# KiCad board EEZ DIB DCP405plus.kicad_pcb
title: ${project_name}; date: 2026-11-24; rev: ${project_version}; company: ${project_creator}; note: ${project_license}; note: ${project_info}; note: ${project_url}
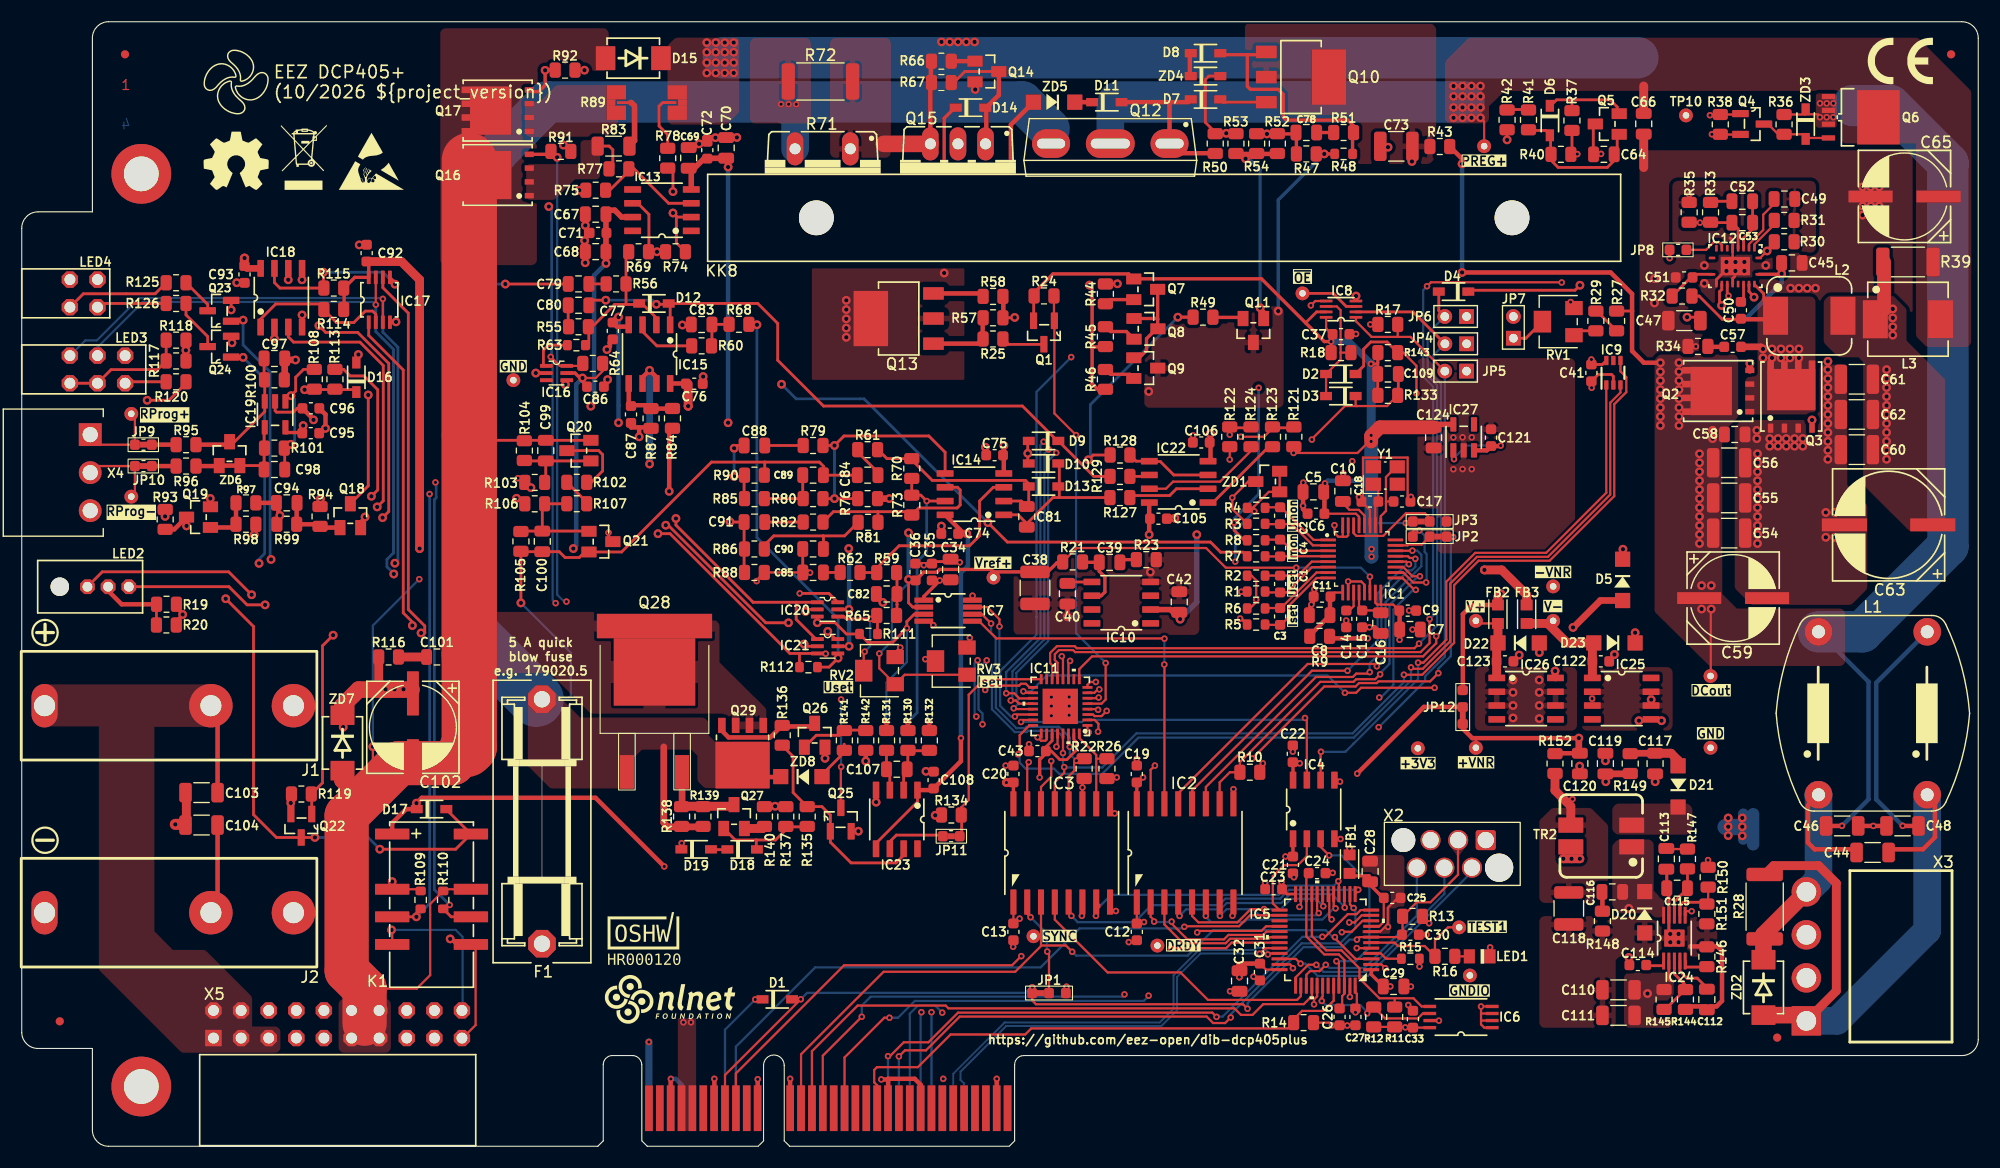
[diagram p0: board, top side]
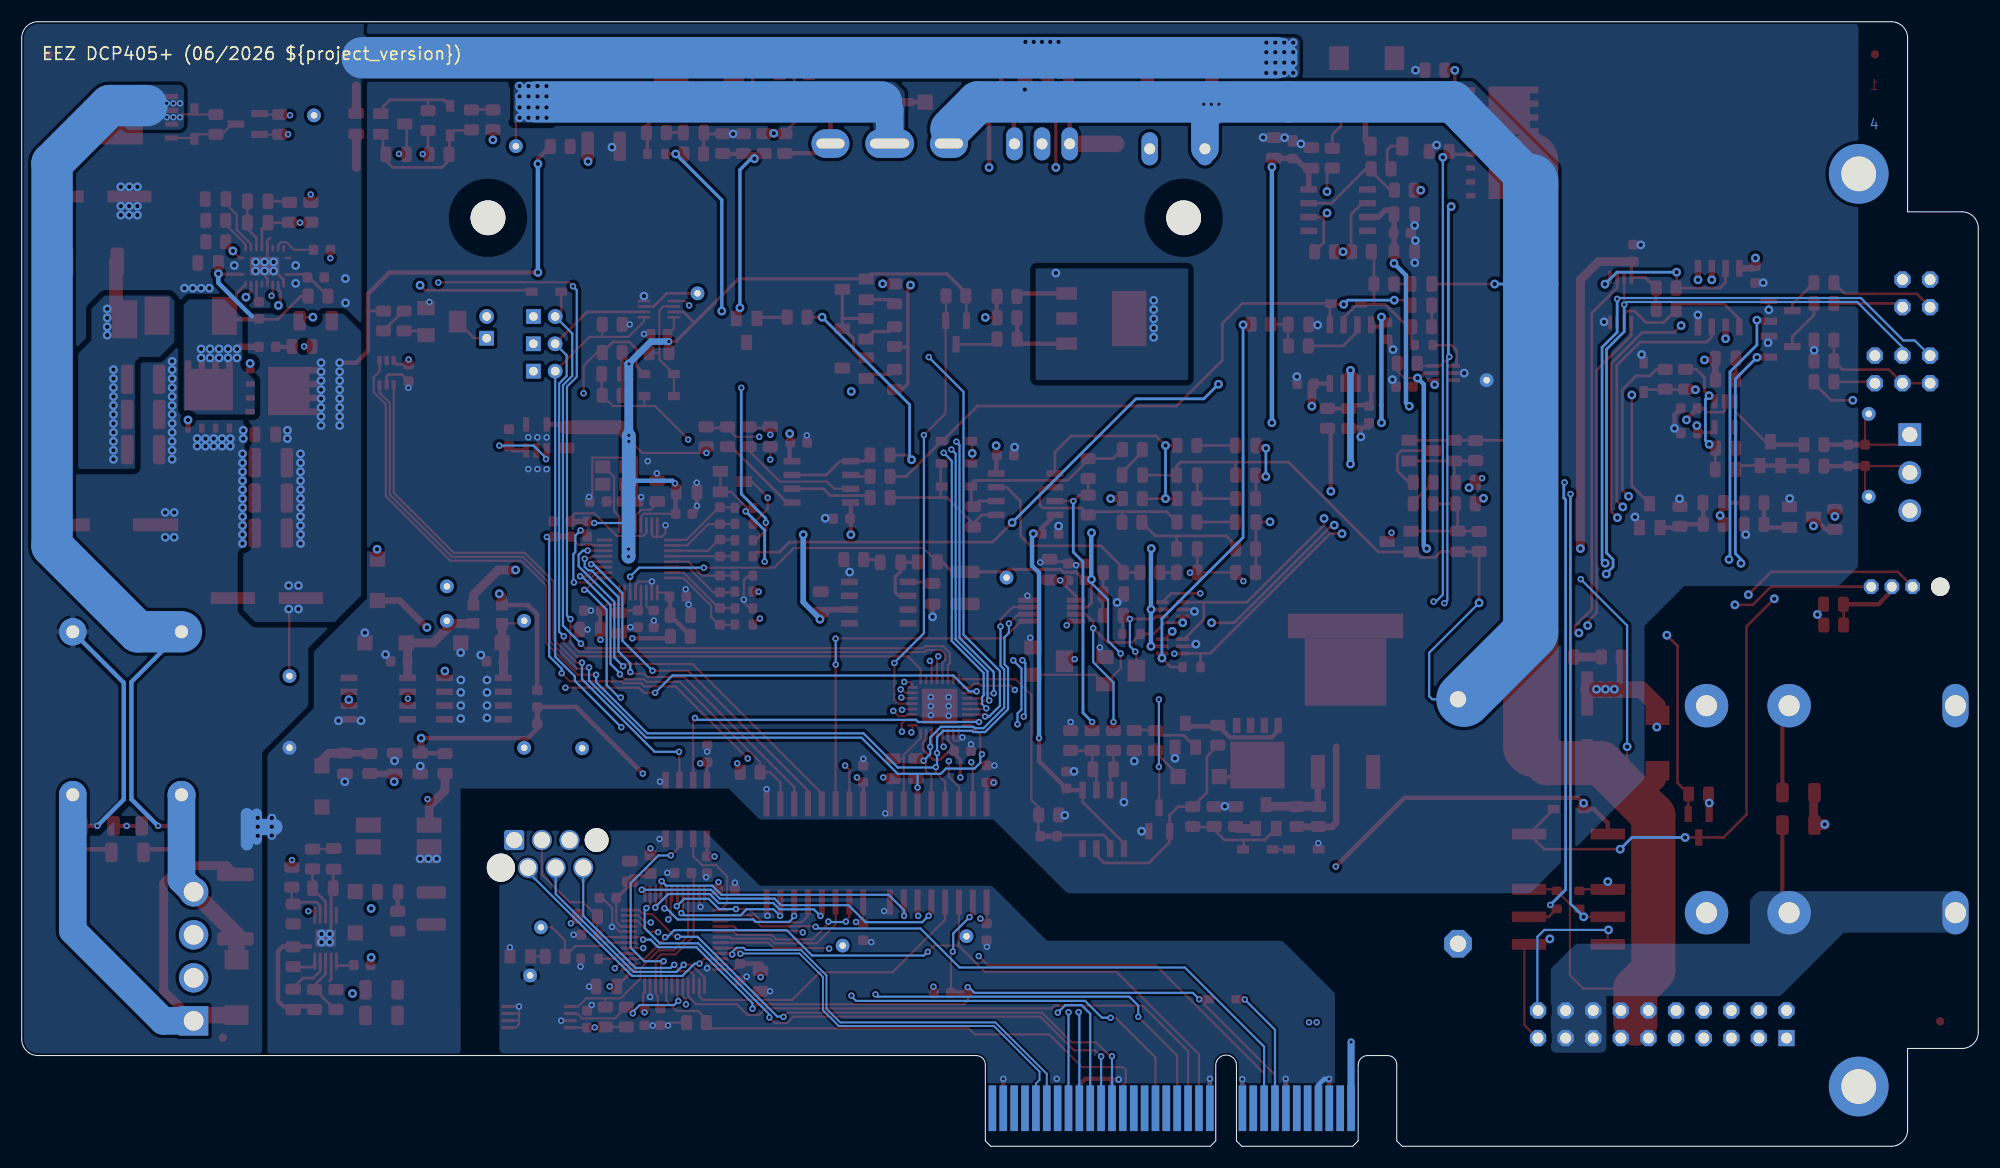
[diagram p1: board, bottom side, seen from below]

Outline 180 x 103.5 mm; copper layers: Top, In1.Cu, In2.Cu, Bottom. Coordinates in mm from the lower left corner of the outline.
Outline path: 56.14,8.35 54.34,8.35 arc(53.74,8.1) 53.5,7.5 53.5,0.5 53,0 8,0 arc(6.94,0.44) 6.5,1.5 6.5,9 1.5,9 arc(0.44,9.44) 0,10.5 0,84.5 arc(0.44,85.56) 1.5,86 6.5,86 6.5,102 arc(6.94,103.06) 8,103.5 178.5,103.5 arc(179.56,103.06) 180,102 180,9.85 arc(179.56,8.79) 178.5,8.35 92.2,8.35 arc(91.6,8.1) 91.34,7.5 ; 56.15,8.35 arc(56.77,8.11) 57.04,7.5
Stack: Top 0.035mm / dielectric 0.48mm FR4 er 4.5 / In1.Cu 0.035mm / dielectric 0.48mm FR4 er 4.5 / In2.Cu 0.035mm / dielectric 0.48mm FR4 er 4.5 / Bottom 0.035mm

## Placement (name value [footprint] x y rotation side)
C1  1n  [C_0603_1608Metric]  115.77 51.75 270 top
C2  1n  [C_0603_1608Metric]  115.77 58.03 90 top
C3  1n  [C_0603_1608Metric]  115.77 48.76 270 top
C4  1n  [C_0603_1608Metric]  115.77 55.06 270 top
C5  1u  [C_0805_2012Metric]  118.83 60.23 180 top
C6  100n  [C_0603_1608Metric]  119.07 58.22 0 top
C7  1u  [C_0805_2012Metric]  127.72 47.56 0 top
C8  1u  [C_0805_2012Metric]  119.41 48.88 180 top
C9  100n  [C_0603_1608Metric]  127.51 49.3 180 top
C10  1u  [C_0805_2012Metric]  121.54 60.3 90 top
C11  100n  [C_0603_1608Metric]  119.63 50.59 0 top
C12  100n  [C_0603_1608Metric]  102.59 19.73 90 top
C13  100n  [C_0603_1608Metric]  91.23 19.73 90 top
C14  270n  [C_0603_1608Metric]  121.86 48.54 90 top
C15  100n  [C_0603_1608Metric]  123.32 48.54 90 top
C16  1u  [C_0805_2012Metric]  125.03 48.15 270 top
C17  10p  [C_0603_1608Metric]  126.98 59.34 180 top
C18  10p  [C_0603_1608Metric]  124.03 59.34 0 top
C19  100n  [C_0603_1608Metric]  102.59 34.26 270 top
C20  100n  [C_0603_1608Metric]  91.23 34.26 270 top
C21  100n  [C_0603_1608Metric]  116.95 25.89 90 top
C22  100n  [C_0603_1608Metric]  116.94 36.12 270 top
C23  100n  [C_0603_1608Metric]  115.17 23.66 180 top
C24  2u2  [C_0603_1608Metric]  119.17 25.14 180 top
C25  100n  [C_0603_1608Metric]  126.08 22.86 0 top
C26  2u2  [C_0603_1608Metric]  121.24 11.91 90 top
C27  100n  [C_0603_1608Metric]  122.7 11.91 270 top
C28  1u  [C_0805_2012Metric]  124.05 25.29 270 top
C29  1u  [C_0805_2012Metric]  126.21 14.71 180 top
C30  1n  [C_0603_1608Metric]  127.75 19.47 180 top
C31  100n  [C_0603_1608Metric]  113.92 16.04 270 top
C32  4u7  [C_0805_2012Metric]  112.04 15.21 270 top
C33  100n  [C_0603_1608Metric]  127.99 11.69 270 top
C34  1u  [C_0805_2012Metric]  85.46 53.08 90 top
C35  100n  [C_0603_1608Metric]  83.74 52.85 270 top
C36  100n  [C_0603_1608Metric]  82.22 52.85 270 top
C37  100n  [C_0603_1608Metric]  121.37 74.75 180 top
C38  22u  [C_1210_3225Metric]  93.22 51.39 270 top
C39  1u  [C_0805_2012Metric]  100.08 53.74 0 top
C40  1u  [C_0805_2012Metric]  96.2 50.86 270 top
C41  100n  [C_0603_1608Metric]  144.41 71.18 270 top
C42  4u7  [C_0805_2012Metric]  106.49 50.09 90 top
C43  100n  [C_0603_1608Metric]  93.44 36.37 0 top
C44  10n/200V  [C_1206_3216Metric]  170.28 27.04 180 top
C45  470n/100V  [C_0805_2012Metric]  162.85 81.3 180 top
C46  10n/200V  [C_1206_3216Metric]  167.48 29.48 180 top
C47  2u2  [C_1206_3216Metric]  152.96 75.99 0 top
C48  10n/200V  [C_1206_3216Metric]  173.03 29.48 180 top
C49  10n  [C_0805_2012Metric]  162.17 87.18 0 top
C50  100n  [C_0603_1608Metric]  158.16 76.94 270 top
C51  15p  [C_0603_1608Metric]  152.94 79.97 180 top
C52  10n  [C_0805_2012Metric]  158.29 86.98 0 top
C53  150p  [C_0805_2012Metric]  158.29 85.01 0 top
C54  4u7/100V  [C_1210_3225Metric]  157.09 56.43 0 top
C55  4u7/100V  [C_1210_3225Metric]  157.09 59.67 0 top
C56  4u7/100V  [C_1210_3225Metric]  157.09 62.91 0 top
C57  1n  [C_0603_1608Metric]  157.4 73.58 180 top
C58  470n/100V  [C_0805_2012Metric]  157.59 65.51 180 top
C59  EEEFK1H470P  [CAPAE830X1050N]  157.45 50.45 0 top
C60  10u  [C_1210_3225Metric]  168.83 64.12 180 top
C61  10u  [C_1210_3225Metric]  168.83 70.59 180 top
C62  10u  [C_1210_3225Metric]  168.83 67.35 180 top
C63  EEEFK1J101P  [CAPAE1030X1050N]  171.75 57.19 180 top
C64  470p  [C_0805_2012Metric]  145.56 91.29 0 top
C65  EEEFK1H470P  [CAPAE830X1050N]  173.21 87.42 180 top
C66  1u  [C_0805_2012Metric]  149.22 94.11 90 top
C67  10n  [C_0805_2012Metric]  52.8 85.78 0 top
C68  1u  [C_0805_2012Metric]  52.8 82.34 0 top
C69  10n  [C_0805_2012Metric]  61.36 90.97 270 top
C70  1u  [C_0805_2012Metric]  64.81 91.89 270 top
C71  100n  [C_0603_1608Metric]  53.02 84.06 180 top
C72  100n  [C_0603_1608Metric]  63.07 91.68 90 top
C73  4u7/100V  [C_1210_3225Metric]  126.46 92.03 180 top
C74  100n  [C_0603_1608Metric]  85.38 56.38 0 top
C75  100n  [C_0603_1608Metric]  89.5 63.61 0 top
C76  100n  [C_0603_1608Metric]  61.88 70.18 180 top
C77  100n  [C_0603_1608Metric]  54.38 75.04 90 top
C78  10n  [C_0805_2012Metric]  118.18 93.3 180 top
C79  6n8  [C_0805_2012Metric]  51.23 79.37 0 top
C80  4n7  [C_0805_2012Metric]  51.23 77.4 0 top
C81  100p  [C_0805_2012Metric]  92.46 57.93 270 top
C82  2n2  [C_0805_2012Metric]  79.57 50.83 180 top
C83  2n2  [C_0805_2012Metric]  62.55 75.64 180 top
C84  330p  [C_0805_2012Metric]  77.82 61.77 0 top
C85  150p  [C_0805_2012Metric]  72.8 52.81 0 top
C86  100n  [C_0603_1608Metric]  52.78 69.91 0 top
C87  100n  [C_0603_1608Metric]  56.05 67.36 270 top
C88  47p  [C_0805_2012Metric]  67.41 64.5 0 top  (not fitted)
C89  2n2  [C_0805_2012Metric]  72.8 61.77 0 top  (not fitted)
C90  2n2  [C_0805_2012Metric]  72.8 54.97 180 top  (not fitted)
C91  47p  [C_0805_2012Metric]  67.41 57.45 0 top  (not fitted)
C92  100n  [C_0603_1608Metric]  31.73 82.21 270 top
C93  100n  [C_0603_1608Metric]  20.5 80.24 270 top
C94  2n2  [C_0805_2012Metric]  24.38 59.22 180 top
C95  100n  [C_0603_1608Metric]  26.59 65.63 0 top
C96  100n  [C_0603_1608Metric]  26.6 67.92 0 top
C97  100p  [C_0805_2012Metric]  23.25 72.51 180 top
C98  100p  [C_0805_2012Metric]  23.25 62.29 180 top
C99  10n  [C_0805_2012Metric]  48.21 64.03 90 top
C100  10n  [C_0805_2012Metric]  47.89 55.67 90 top
C101  470n/100V  [C_0805_2012Metric]  38.2 45.03 180 top
C102  HHXD630ARA330MHA0G  [CAPAE830X1050N]  35.99 38.56 270 top
C103  10n/200V  [C_1206_3216Metric]  16.54 32.55 180 top
C104  10n/200V  [C_1206_3216Metric]  16.54 29.56 0 top
C105  100n  [C_0603_1608Metric]  104.57 57.76 180 top
C106  100n  [C_0603_1608Metric]  108.52 64.78 0 top
C107  4n7  [C_0805_2012Metric]  80.51 34.7 180 top
C108  100n  [C_0603_1608Metric]  83.89 33.7 270 top
C109  4n7  [C_0805_2012Metric]  125.69 71.08 0 top
C110  2u2  [C_1206_3216Metric]  146.9 14.4 180 top
C111  2u2  [C_1206_3216Metric]  146.9 12.05 180 top
C112  10n  [C_0805_2012Metric]  155.03 13.51 270 top
C113  10n  [C_0805_2012Metric]  151.3 26.45 90 top
C114  100n  [C_0603_1608Metric]  148.68 16.68 0 top
C115  33p  [C_0805_2012Metric]  152.29 23.75 0 top
C116  330p  [C_0805_2012Metric]  146.33 23.41 180 top
C117  4u7  [C_0805_2012Metric]  150.27 35.22 270 top
C118  22u  [C_1210_3225Metric]  142.33 21.89 270 top
C119  4u7  [C_0805_2012Metric]  145.7 35.22 90 top
C120  4u7  [C_0805_2012Metric]  143.35 35.22 270 top
C121  100n  [C_0603_1608Metric]  135.17 65.22 270 top
C122  100n  [C_0603_1608Metric]  145.27 44.63 180 top
C123  100n  [C_0603_1608Metric]  136.46 44.63 0 top
C124  1u  [C_0805_2012Metric]  129.89 65.22 90 top
D1  BAS316  [SOD-323_1P8X1P35_ONS-M]  69.51 13.53 0 top
D2  BAS316  [SOD-323_1P8X1P35_ONS-M]  121.36 71.08 180 top
D3  BAS316  [SOD-323_1P8X1P35_ONS-M]  121.36 69.05 180 top
D4  BAS316  [SOD-323_1P8X1P35_ONS-M]  131.73 78.66 180 top
D5  SKL16  [SOD123]  147.28 52.13 270 top
D6  BAS316  [SOD-323_1P8X1P35_ONS-M]  140.59 94.41 270 top
D7  BAS316  [SOD-323_1P8X1P35_ONS-M]  108.91 96.35 0 top
D8  BAS316  [SOD-323_1P8X1P35_ONS-M]  108.91 100.61 0 top
D9  BAS316  [SOD-323_1P8X1P35_ONS-M]  94.01 64.92 180 top
D10  BAS316  [SOD-323_1P8X1P35_ONS-M]  94.01 62.85 180 top
D11  BAS316  [SOD-323_1P8X1P35_ONS-M]  99.83 96.1 0 top
D12  BAS316  [SOD-323_1P8X1P35_ONS-M]  58.16 77.57 0 top
D13  BAS316  [SOD-323_1P8X1P35_ONS-M]  94.01 60.73 0 top
D14  BAS316  [SOD-323_1P8X1P35_ONS-M]  87.29 95.59 0 top
D15  SK55  [DO214AA]  56.26 100.15 180 top  (not fitted)
D16  BAS316  [SOD-323_1P8X1P35_ONS-M]  30.78 70.78 90 top
D17  BAS316  [SOD-323_1P8X1P35_ONS-M]  37.7 31.03 0 top
D18  BAS316  [SOD-323_1P8X1P35_ONS-M]  66.28 27.32 0 top
D19  BAS316  [SOD-323_1P8X1P35_ONS-M]  62.05 27.33 0 top
D20  SKL16  [SOD123]  149.31 21.54 270 top
D21  SKL16  [SOD123]  152.38 33.12 90 top
D22  SKL16  [SOD123]  137.72 46.33 0 top
D23  SKL16  [SOD123]  146.53 46.33 180 top
F1  -  [ZH32]  47.86 29.89 270 top
FB1  BLM18AG102SH1D  [BEAD0603]  122.16 25.97 90 top
FB2  BLM18AG102SH1D  [BEAD0603]  135.81 48.97 90 top
FB3  BLM18AG102SH1D  [BEAD0603]  138.45 48.97 90 top
FM1  FIDUCIAL  [Fiducial_0.75mm_Mask1.5mm]  9.5 100.5 0 top
FM2  FIDUCIAL  [Fiducial_0.75mm_Mask1.5mm]  177.5 100.5 0 top
FM3  FIDUCIAL  [Fiducial_0.75mm_Mask1.5mm]  3.5 11.5 0 top
FM4  FIDUCIAL  [Fiducial_0.75mm_Mask1.5mm]  161.5 10 0 top
IC1  ADS131A04IPBSR  [QFP50P700X700X120-32N]  123.28 54.06 0 top
IC2  ISO7762DWR  [DW16]  107.03 27 90 top
IC3  ISO7762DWR  [DW16]  95.68 27 90 top
IC4  ISO6520DR  [SOIC127P600X173-8N]  118.86 31 90 top
IC5  STM32H523CCT6  [LQFP-48_7X7MM]  119.94 19 180 top
IC6  M24C32-DFDW6TP  [TSSOP-8]  132.41 11.9 180 top
IC7  DAC8552IDGKR  [DGK8-M]  85.23 49.3 0 top
IC8  74AUP1G74DC,125  [DCU8]  121.37 77.05 180 top
IC9  TMP126NDCKR  [DCK6]  146.43 71.19 90 top
IC10  REF5025AIDR  [SOIC127P600X173-8N]  101.16 50.03 180 top
IC11  PCAL9722HNMP  [HVQFN32_SOT617-1_NXP-M]  95.54 40.49 180 top
IC12  LM5145RGYR  [RGY0020B]  157.66 81.01 270 top
IC13  LTC2050HVCS8#PBF  [SOIC127P600X173-8N]  58.9 86.15 180 top
IC14  TL072D  [SOIC127P600X173-8N]  87.65 60.01 180 top
IC15  TL072D  [SOIC127P600X173-8N]  57.75 72.9 270 top
IC16  SN74LVC1G3157DCK  [SOT65P210X110-6N]  49.2 71.17 0 top
IC17  SN74LVC2G08DCTR  [DCT8]  32.9 77.91 90 top
IC18  LM293D  [SOIC127P600X173-8N]  23.88 78.1 90 top
IC19  OPA376AIDBVR  [SOT23-5L_STM]  23.31 67.37 270 top
IC20  SN74LVC1G3157DCKR  [SOT65P210X110-6N]  74.13 49.41 0 top
IC21  SN74LVC1G3157DCKR  [SOT65P210X110-6N]  74.14 46.02 0 top
IC22  LM293D  [SOIC127P600X173-8N]  106.44 61.14 180 top
IC23  MAX9141ESA  [SOIC127P600X173-8N]  80.51 30.08 270 top
IC24  TPS54060DGQ  [SOP50P490X110-11N]  152.05 19.16 90 top
IC25  MC79L05  [SOIC127P600X173-8N]  147.2 41.2 0 top
IC26  MC78L05  [SOIC127P600X173-8N]  138.4 41.2 0 top
IC27  TPS7A2033PDBVR  [SOT23-5L_STM]  132.66 65.25 90 top
J1  -  [572-0500]  25 40.55 180 top
J2  -  [572-0100]  25 21.5 180 top
JP1  0R  [JP3 shorted (0603)]  93.74 14.1 180 top
JP2  0R  [JP3 shorted (0603)]  130.3 56.11 0 top
JP3  0R  [JP3 shorted (0603)]  128.76 57.5 180 top
JP4  ~  [M22-2010246]  131.93 73.86 180 top  (not fitted)
JP5  ~  [M22-2010246]  131.92 71.34 180 top  (not fitted)
JP6  ~  [M22-2010246]  131.92 76.37 180 top  (not fitted)
JP7  ~  [M22-2010246]  137.23 75.37 90 top  (not fitted)
JP8  JP2-CUT-0805  [JP2 open (0603)]  152.37 82.51 0 top
JP9  JP2-NOCUT-0805  [JP2 shorted (0603)]  11.18 64.57 0 top
JP10  JP2-NOCUT-0805  [JP2 shorted (0603)]  11.18 62.6 0 top
JP11  JP2-NOCUT-0805  [JP2 shorted (0603)]  85.52 28.53 180 top
JP12  ~  [JP3 shorted (0603)]  132.57 39.65 270 top
K1  FTR-C1GA012G-B05 or EE2-12NU-L  [FTR-C1]  37.7 22.39 270 top
KK1  -  [PCB-MB-01]  11 89.5 0 top
KK2  -  [PCB-MB-01]  11 5.5 0 top
KK8  SK96/84SA  [SK96_84]  147.1 89.45 180 top
L1  RN112-4-02-0M7  [RN112]  170.3 39.85 90 top
L2  ETQ-P4M100KFM  [PANASONIC_ETQ-P4_KFM]  164.45 76.43 0 top
L3  HPI0630-3R3  [COILCRAFT_HPI0630]  173.53 76.12 0 top
LED1  LTST-C170KGKT  [LED_LTST-C170KGKT_LTO-L]  134.13 17.48 180 top  (not fitted)
LED2  WP42WUM/EGW  [L-42WUM-1EGWT]  3.5 51.5 0 top
LED3  -  [SSF-LXH340LYGID]  5.7 71.5 0 top
LED4  WP934MD/LYLID  [WP934MD_2YD]  5.7 78.5 0 top
LOGO1  CR logo  [CE logo]  172.82 99.9 0 top
LOGO2  -  [Open HW logo]  19.73 90.71 0 top
LOGO3  EEZ logo  [EEZ logo (outline 6mm)]  19.72 97.95 0 top
LOGO4  -  [WEEE logo]  25.95 91.03 0 top
LOGO5  ESD logo  [ESD  logo]  32.17 90.66 0 top
LOGO6  -  [NLnet logo]  59.66 13.39 0 top
LOGO7  OSHWA logo  [OSHWA logo 6.6mm]  53.9 18.11 0 top
NT1  NetTie_2  [NetTie-2_SMD_Pad1.5mm]  157.76 29.39 180 bottom
NT2  NetTie_2  [NetTie-2_SMD_Pad0.2mm]  157.4 82.12 270 top
Q1  BSS84  [SOT103P240X110-3N]  94.04 74.9 270 top
Q2  BSC117N08NS5ATMA1  [TDSON-8]  156.07 69.51 180 top
Q3  BSC039N06NSATMA1  [TDSON-8]  162.8 69 90 top
Q4  2N7002  [SOT103P240X110-3N]  159.2 94.08 0 top
Q5  MMBT5401  [SOT23-BEC]  145.87 94.09 90 top
Q6  SQJ457EP-T1_BE3  [PowerPAK SO-8]  169.77 94.71 270 top
Q7  MMBT5551  [SOT23-BEC]  103.4 78.87 270 top
Q8  MMBT5401  [SOT23-BEC]  103.43 75.24 270 top
Q9  MMBT5401  [SOT23-BEC]  103.41 71.62 270 top
Q10  BCP56-16.115  [SOT223-BCE]  117.7 98.41 0 top
Q11  MMBT5551  [SOT23-BEC]  113.31 75.08 180 top
Q12  IRFP250NPBF  [TO247-3_SUNKEN]  100.15 92.29 180 top
Q13  BCP56-16.115  [SOT223-BCE]  80.68 76.18 180 top
Q14  BC857C  [SOT23-BEC]  88.8 98.92 270 top
Q15  IRFI9Z34GPBF  [TO220FP-V]  86.13 92.06 180 top
Q16  PSMN0R9-25YLC  [TDSON-8]  43.78 89.4 180 top
Q17  PSMN0R9-25YLC  [TDSON-8]  43.78 95.32 180 top
Q18  MMBT5551  [SOT23-BEC]  30.23 58.04 0 top
Q19  MMBT5551  [SOT23-BEC]  16.26 57.91 90 top
Q20  MMBT5551  [SOT23-BEC]  51.26 64.03 90 top
Q21  MMBT5401  [SOT23-BEC]  53.28 55.65 270 top
Q22  2N7002  [SOT103P240X110-3N]  25.71 29.5 270 top
Q23  2N7002  [SOT103P240X110-3N]  18.19 76.9 180 top
Q24  2N7002  [SOT103P240X110-3N]  18.19 73.6 180 top
Q25  2N7002  [SOT103P240X110-3N]  75.36 30.07 90 top
Q26  MMBT5551  [SOT23-BEC]  72.95 37.83 0 top
Q27  FMMT493TA  [SOT23-BEC]  65.53 30.35 0 top
Q28  BT139B-600E  [TO-263_SOT-404]  58.21 40.14 0 top
Q29  PSMN013-60YL  [SOT669]  66.32 36.08 180 top
R1  100R  [R_0603_1608Metric]  113.56 51.06 180 top
R2  100R  [R_0603_1608Metric]  113.56 52.52 180 top
R3  100R  [R_0603_1608Metric]  113.57 57.29 180 top
R4  100R  [R_0603_1608Metric]  113.57 58.76 180 top
R5  100R  [R_0603_1608Metric]  113.56 48.02 180 top
R6  100R  [R_0603_1608Metric]  113.56 49.5 180 top
R7  100R  [R_0603_1608Metric]  113.57 54.3 180 top
R8  100R  [R_0603_1608Metric]  113.57 55.77 180 top
R9  10R  [R_0805_2012Metric]  119.41 46.93 180 top
R10  10K  [R_0805_2012Metric]  112.98 34.42 180 top
R11  1K8  [R_0805_2012Metric]  126.31 11.9 90 top
R12  1K8  [R_0805_2012Metric]  124.38 11.9 90 top
R13  10K  [R_0805_2012Metric]  127.95 21.16 0 top
R14  10K  [R_0805_2012Metric]  117.93 11.38 180 top
R15  0R  [R_0603_1608Metric]  127.75 17.26 180 top  (not fitted)
R16  750R  [R_0805_2012Metric]  130.93 17.48 180 top  (not fitted)
R17  100K  [R_0805_2012Metric]  125.68 75.64 0 top
R18  10K  [R_0805_2012Metric]  121.37 73.05 180 top
R19  1K8  [R_0805_2012Metric]  13.32 49.88 0 top
R20  330R  [R_0805_2012Metric]  13.31 47.98 0 top
R21  10R  [R_0805_2012Metric]  96.68 53.78 0 top
R22  10K  [R_0805_2012Metric]  97.74 34.76 270 top
R23  1R  [R_0805_2012Metric]  103.46 53.99 0 top
R24  100K  [R_0805_2012Metric]  94.05 78.26 0 top
R25  10K  [R_0805_2012Metric]  89.35 74.3 0 top
R26  10K  [R_0805_2012Metric]  99.84 34.76 270 top
R27  10K  [R_0805_2012Metric]  146.72 75.96 90 top  (not fitted)
R28  4K7/2W  [R_2512_6332Metric]  160.35 22.05 90 top  (not fitted)
R29  10K  [R_0805_2012Metric]  144.82 75.96 90 top  (not fitted)
R30  10K  [R_0805_2012Metric]  162.15 83.25 180 top
R31  47K  [R_0805_2012Metric]  162.15 85.21 180 top
R32  470R  [R_0805_2012Metric]  152.75 78.25 0 top
R33  10K  [R_0805_2012Metric]  155.37 85.96 270 top
R34  10R  [R_0805_2012Metric]  154.21 73.62 0 top
R35  3K9  [R_0805_2012Metric]  153.4 85.96 90 top
R36  10K  [R_0805_2012Metric]  162.13 94.05 90 top
R37  10K  [R_0805_2012Metric]  142.62 94.41 90 top
R38  100K  [R_0805_2012Metric]  156.27 94.05 270 top
R39  15R  [R_2010_5025Metric]  173.53 81.39 180 top
R40  100K  [R_0805_2012Metric]  141.61 91.29 180 top
R41  10K  [R_0805_2012Metric]  138.62 94.47 90 top
R42  1K  [R_0805_2012Metric]  136.65 94.47 270 top
R43  10R  [R_0805_2012Metric]  130.46 92.02 0 top
R44  1K2  [R_0805_2012Metric]  99.7 78.45 270 top
R45  220R  [R_0805_2012Metric]  99.7 74.52 270 top
R46  220R  [R_0805_2012Metric]  99.7 70.58 270 top
R47  51K  [R_0805_2012Metric]  118.18 91.33 0 top
R48  100R  [R_0603_1608Metric]  121.61 91.33 180 top
R49  470R  [R_0805_2012Metric]  108.67 76.31 0 top
R50  1K  [R_0805_2012Metric]  109.8 92.28 90 top
R51  47K  [R_0805_2012Metric]  121.61 93.3 0 top
R52  2K2  [R_0805_2012Metric]  115.51 92.28 270 top
R53  16K  [R_0805_2012Metric]  111.71 92.28 90 top
R54  750R  [R_0805_2012Metric]  113.61 92.28 270 top
R55  470R  [R_0805_2012Metric]  51.22 75.43 0 top
R56  1K  [R_0805_2012Metric]  54.68 79.37 0 top
R57  1K  [R_0805_2012Metric]  89.36 76.25 0 top
R58  220R  [R_0805_2012Metric]  89.36 78.22 0 top
R59  10K  [R_0805_2012Metric]  79.57 52.8 180 top
R60  2K2  [R_0805_2012Metric]  62.55 73.67 180 top
R61  1K  [R_0805_2012Metric]  77.82 64.12 0 top
R62  6K8  [R_0805_2012Metric]  76.21 52.81 0 top
R63  3K  [R_0603_1608Metric]  51.02 73.73 0 top
R64  47K  [R_0805_2012Metric]  52.53 72.05 180 top
R65  2K2  [R_0805_2012Metric]  79.57 48.85 0 top
R66  2K2  [R_0805_2012Metric]  84.61 99.87 0 top
R67  2K2  [R_0805_2012Metric]  84.61 97.9 0 top
R68  2K2  [R_0805_2012Metric]  65.98 75.65 180 top
R69  6K2  [R_0805_2012Metric]  56.75 82.33 180 top
R70  10K  [R_0805_2012Metric]  81.88 62.38 90 top
R71  PWR220T-35-2R00F or PF2203-2RF1  [TO220-2-V]  73.69 92.06 180 top  (not fitted)
R72  2R2/2-3W  [R_2512_6332Metric]  73.48 98 0 top
R73  7K5 0.1%  [R_0805_2012Metric]  81.88 59.01 270 top
R74  36K 0.1%  [R_0805_2012Metric]  60.14 82.33 180 top
R75  36K 0.1%  [R_0805_2012Metric]  52.8 87.99 0 top
R76  7K5 0.1%  [R_0805_2012Metric]  77.82 59.61 180 top
R77  750R 0.1%  [R_0805_2012Metric]  54.94 89.96 0 top
R78  750R 0.1%  [R_0805_2012Metric]  59.43 90.94 270 top
R79  10K  [R_0805_2012Metric]  72.8 64.5 0 top  (not fitted)
R80  100K 0.1%  [R_0805_2012Metric]  72.8 59.61 180 top
R81  100K 0.1%  [R_0805_2012Metric]  77.86 57.43 180 top
R82  10K  [R_0805_2012Metric]  72.8 57.45 0 top  (not fitted)
R83  1R 0.1%  [R_1206_3216Metric]  54.45 92.05 180 top
R84  10K  [R_0805_2012Metric]  59.87 66.99 90 top
R85  24K 0.1%  [R_0805_2012Metric]  67.41 59.61 180 top
R86  24K 0.1%  [R_0805_2012Metric]  67.41 54.97 180 top
R87  220R  [R_0805_2012Metric]  57.89 66.99 270 top
R88  N.C.  [R_0805_2012Metric]  67.41 52.81 0 top  (not fitted)
R89  0R010  [R_2512-4WIRE]  57.5 96.06 180 top
R90  N.C.  [R_0805_2012Metric]  67.41 61.77 180 top  (not fitted)
R91  47K  [R_0805_2012Metric]  49.6 91.57 180 top
R92  47K  [R_0805_2012Metric]  49.99 99.05 180 top
R93  10K  [R_0805_2012Metric]  13.2 57.69 90 top
R94  47K  [R_0805_2012Metric]  27.44 57.97 270 top
R95  10K  [R_0805_2012Metric]  15.12 64.57 180 top
R96  10K  [R_0805_2012Metric]  15.12 62.6 180 top
R97  10K  [R_0805_2012Metric]  20.62 59.22 0 top
R98  47K  [R_0805_2012Metric]  20.62 57.25 180 top
R99  47K  [R_0805_2012Metric]  24.38 57.25 0 top
R100  10K  [R_0805_2012Metric]  23.25 70.54 180 top
R101  10K  [R_0805_2012Metric]  23.25 64.26 180 top
R102  1K  [R_0805_2012Metric]  51.06 61.11 180 top
R103  750R  [R_0805_2012Metric]  47.19 61.1 180 top
R104  330R  [R_0805_2012Metric]  46.24 64.03 270 top
R105  330R  [R_0805_2012Metric]  45.92 55.67 270 top
R106  750R  [R_0805_2012Metric]  47.19 59.13 0 top
R107  2K2  [R_0805_2012Metric]  51.06 59.14 180 top
R108  1K  [R_0805_2012Metric]  26.92 70.59 90 top
R109  0R  [R_0603_1608Metric]  36.7 22.68 270 top  (not fitted)
R110  0R  [R_0603_1608Metric]  38.78 22.68 90 top  (not fitted)
R111  0R  [R_0603_1608Metric]  77.9 47.15 180 top  (not fitted)
R112  0R  [R_0603_1608Metric]  72.38 44.1 180 top  (not fitted)
R113  1K  [R_0805_2012Metric]  28.81 70.59 270 top
R114  4K7  [R_0805_2012Metric]  28.71 77.02 180 top
R115  4K7  [R_0805_2012Metric]  28.71 78.99 180 top
R116  1R  [R_0805_2012Metric]  33.75 45.03 0 top
R117  330R  [R_0805_2012Metric]  14.2 72.28 180 top
R118  220R  [R_0805_2012Metric]  14.2 74.19 180 top
R119  100K  [R_0805_2012Metric]  25.73 32.42 0 top
R120  1K  [R_0805_2012Metric]  14.2 70.36 180 top
R121  3K9  [R_0805_2012Metric]  117.03 65.3 270 top
R122  3K9  [R_0805_2012Metric]  111.13 65.3 270 top
R123  6K2  [R_0805_2012Metric]  115.07 65.3 90 top
R124  6K2  [R_0805_2012Metric]  113.1 65.3 90 top
R125  750R  [R_0805_2012Metric]  14.2 79.47 180 top
R126  750R  [R_0805_2012Metric]  14.2 77.57 0 top
R127  10K  [R_0805_2012Metric]  101.03 59.7 0 top
R128  10K  [R_0805_2012Metric]  101.04 63.62 180 top
R129  10K  [R_0805_2012Metric]  101.04 61.65 0 top
R130  330R  [R_0805_2012Metric]  81.53 37.35 270 top
R131  10K  [R_0805_2012Metric]  79.56 37.35 270 top
R132  10K  [R_0805_2012Metric]  83.5 37.35 90 top
R133  4K7  [R_0805_2012Metric]  125.68 69.11 0 top
R134  10K  [R_0805_2012Metric]  85.52 30.49 0 top
R135  1K  [R_0805_2012Metric]  72.26 30.35 90 top
R136  1K  [R_0805_2012Metric]  69.97 37.83 270 top